# Altium PCB 10515.0461_全联供输出板(2拼版)_V1.0.PcbDoc (part 6 of 9) (continued)
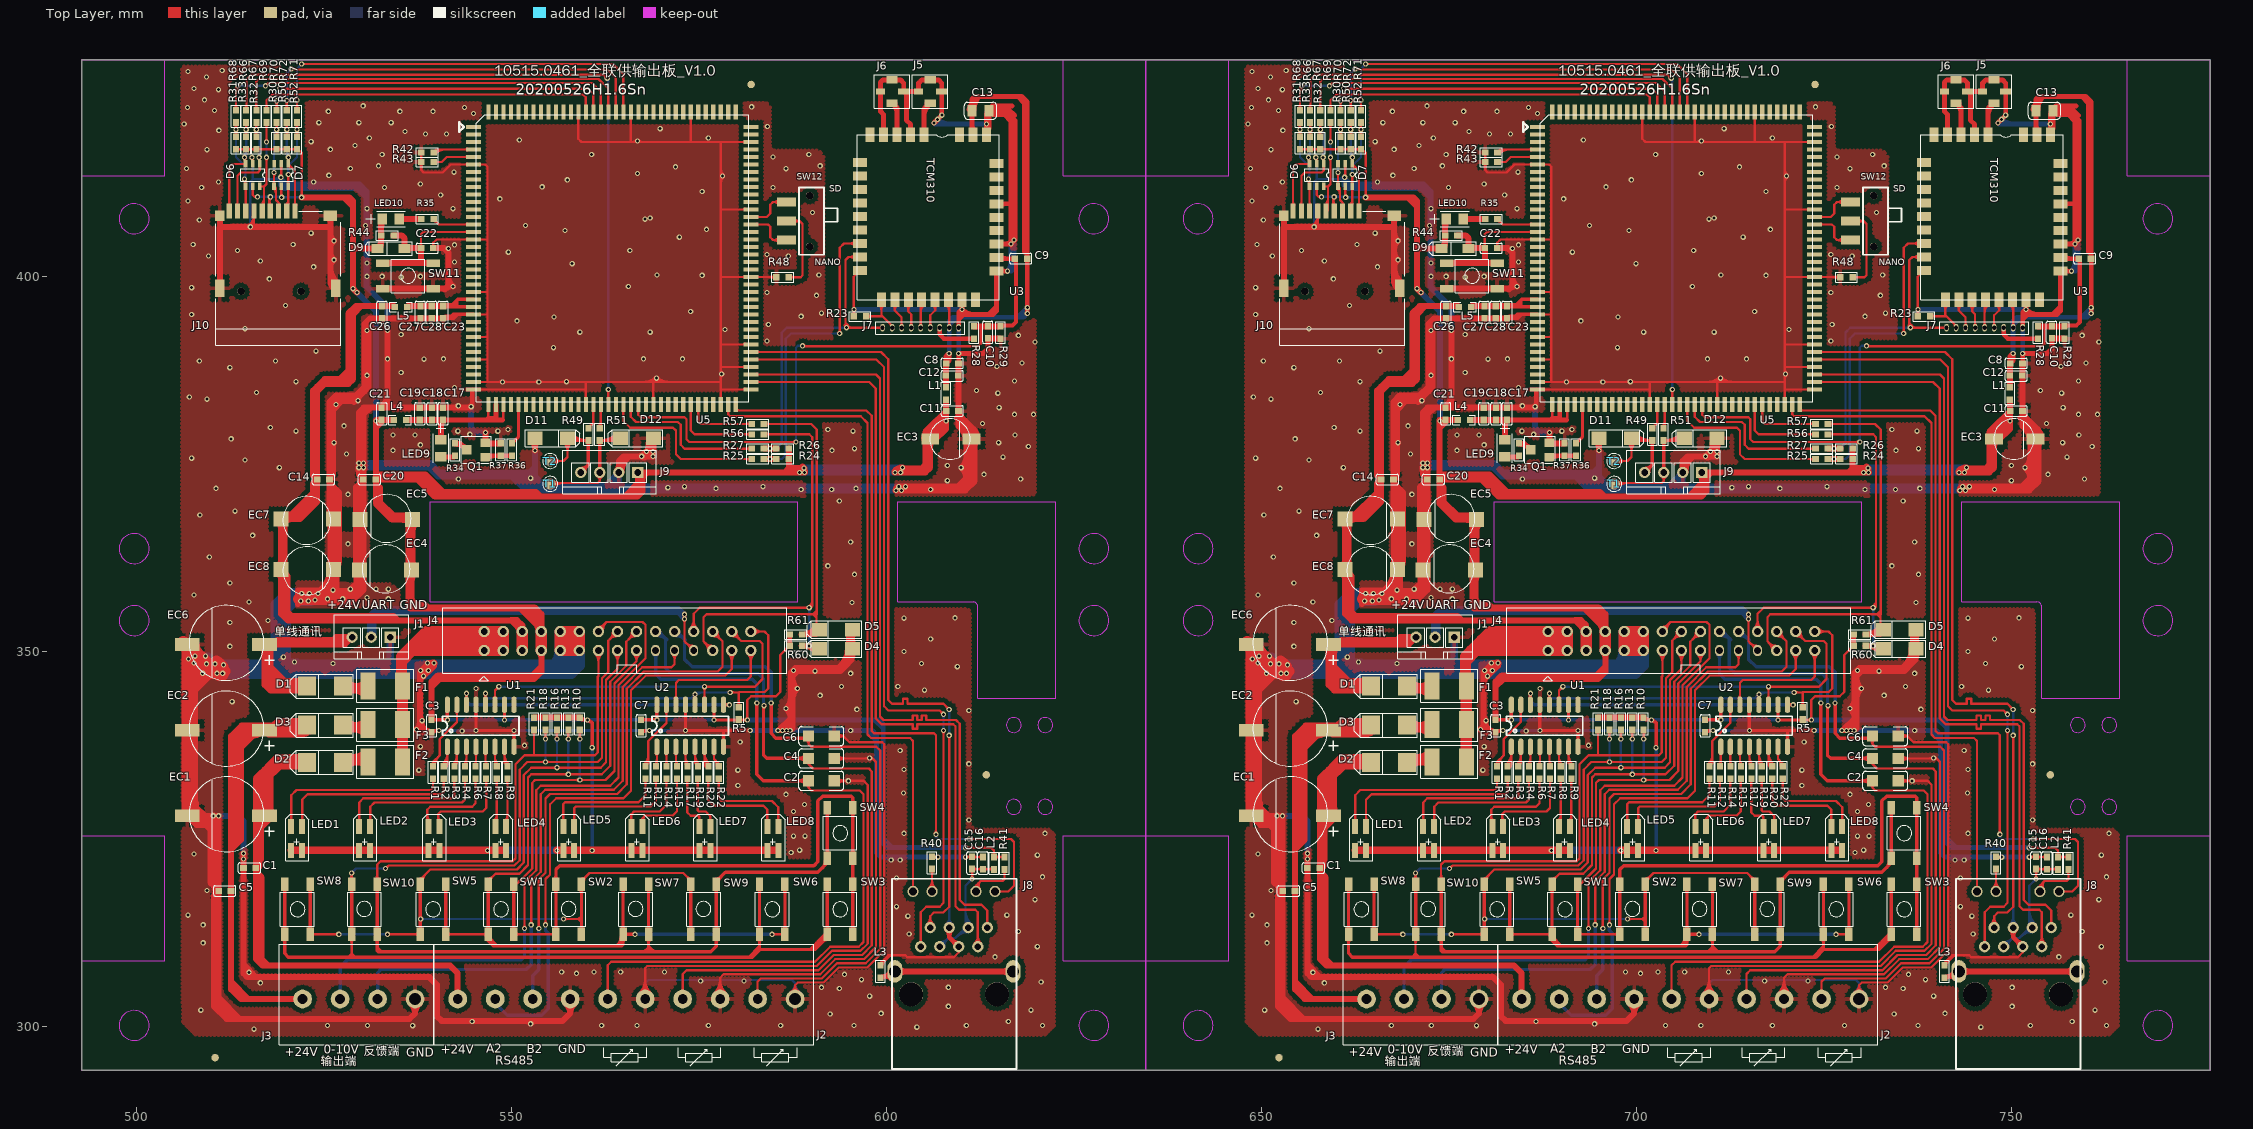
[diagram p0: Top Layer view]
## Nets (pads, with @x,y where several pads share a name; then routed paths per layer and width w, separated by ;. In a path a pad name is that pad's centre, name@x,y a point inside that pad or via, vN(x,y) a via of type N, cw(c..) or ccw(c..) an arc to the next point about the centre after c; other vN are vias at no path point) (continued)
cw(c568.833,374.653) 568.833,376.679 ccw(c568.833,376.186) 568.485,376.535 ; v1@567.421,375.994 ccw(c567.421,378.041) v1@568.868,376.594 ; 567.436,371.457 ccw(c564.423,371.457) 566.554,373.588 ; v1@567.754,376.439 cw(c568.486,375.706) v1@568.851,376.676 ; v1@567.898,376.609 ccw(c568.833,377.012) v1(568.833,375.994) ; v1@567.939,376.579 ccw(c568.051,377.715) v1@568.858,376.908 ; v1@567.979,376.594 ccw(c567.451,377.122) 568.198,377.122 ; v1@567.987,376.604 cw(c566.928,377.219) 566.928,375.994 ; 568.071,373.835 567.436,373.2 567.436,371.295 566.757,370.616 565.023,370.616 ; v1@568.198,376.783 cw(c569.471,376.783) 568.959,377.949 ; v1@568.793,375.964 cw(c569.367,376.399) v1@568.858,376.908 ; v1@568.804,376.588 cw(c569.609,377.747) 568.198,377.747 568.198,376.883 v1(567.309,375.994) 566.928,375.994 ; 583.629,375.613 v1(584.454,375.613) 585.279,375.613 ; 583.629,377.01 v1(584.454,377.01) 585.279,377.01 ; 586.93,377.01 586.93,375.613 586.93,374.407 ; 587.132,374.407 cw(c587.132,372.576) v1@588.426,373.87 ; 587.703,373.835 ccw(c587.703,375.666) v1@588.998,374.371 ; 587.767,374.407 cw(c587.767,372.576) v1@589.061,373.87 ; v1@588.341,373.84 cw(c588.962,373.783) v1(588.962,374.407) ; v1@588.752,374.617 cw(c587.97,373.835) v1@589.076,373.835 ; v1@601.041,373.84 cw(c601.599,373.782) 601.599,374.343 ; v1@601.056,373.87 cw(c602.197,372.729) v1@602.197,374.343 ; 601.074,307.285 616.864,307.285 ; v1@601.168,371.427 cw(c601.726,371.369) v1@601.726,371.93 ; v1@601.183,371.457 cw(c602.324,370.316) v1@602.324,371.93 ; v1@601.382,371.422 ccw(c601.382,373.036) v1@602.523,371.895 ; 601.498,306.861 cw(c602.523,305.836) 602.523,307.285 cw(c602.523,308.734) 601.498,307.709 ; v1@601.564,371.895 ccw(c602.705,373.036) 602.705,371.422 ; v1@601.818,373.87 cw(c602.959,372.729) 602.959,374.343 ; v1@601.945,371.457 cw(c603.086,370.316) 603.086,371.93 ; v1@602.072,374.435 ccw(c603.519,375.882) 603.519,373.835 ; v1@602.15,374.445 cw(c601.091,375.06) v1(601.091,373.835) ; v1@602.453,371.895 ccw(c603.594,373.036) 603.594,371.422 ; 605.006,378.179 cw(c606.783,378.348) 605.52,379.61 ; 605.058,371.93 cw(c605.058,370.75) v1@605.893,371.584 ; 605.155,376.981 cw(c606.666,376.981) 605.597,378.05 ; 605.155,377.772 605.155,379.244 ; 605.526,378.6 cw(c605.901,379.244) 605.155,379.244 ; 605.553,378.05 cw(c604.955,377.452) 605.8,377.452 cw(c606.645,377.452) 606.047,378.05 ; 605.553,378.544 ccw(c604.955,379.142) 605.8,379.142 ccw(c606.645,379.142) 606.047,378.544 ; 605.802,378.254 cw(c608.977,378.556) 606.722,380.811 ; v1@605.822,371.584 cw(c606.656,370.75) 606.656,371.93 ; 606.25,378.647 ccw(c606.25,380.262) 607.392,379.12 ; 606.513,380.019 ccw(c608.236,378.297) 605.8,378.297 ; 606.569,378.297 607.924,379.652 v1(607.924,380.693) ; 606.598,378.33 cw(c611.172,378.764) 607.923,382.013 ; 606.752,380.258 cw(c607.924,379.085) v1@607.924,380.743 ; 607.166,379.663 ccw(c608.531,378.297) 606.6,378.297 cw(c610.967,378.297) 607.879,381.385 ; 607.435,380.941 ccw(c606.363,382.013) 607.879,382.013 ; 607.876,385.202 607.876,388.315 ; v1@607.885,380.661 cw(c608.329,381.024) 607.924,381.43 605.8,379.306 605.8,378.297 ; 607.924,383.503 607.924,382.013 ; 609.335,381.085 cw(c606.548,378.297) 610.49,378.297 ccw(c608.559,378.297) 609.924,379.663 ; 609.575,380.845 611.29,379.13 ; 609.6,388.388 609.575,388.363 609.575,382.013 ; 609.619,382.013 ccw(c610.767,382.013) 609.955,381.201 ; v1@609.957,374.435 ccw(c608.364,376.027) 610.616,376.027 ; v1@609.957,374.505 cw(c608.364,372.913) 610.616,372.913 ; 610.18,380.976 cw(c607.501,378.297) 611.29,378.297 ; 610.616,376.911 cw(c612.226,376.911) 611.087,378.05 ; 610.616,378.971 610.616,373.073 609.473,371.93 609.092,371.93 ; 610.701,379.719 cw(c609.279,378.297) 611.29,378.297 ; 611.045,378.547 ccw(c610.474,379.13) 611.29,379.13 ; 611.124,377.051 cw(c612.536,377.051) 611.537,378.05 ; 611.493,378.05 cw(c610.91,377.467) 611.734,377.467 ; 611.493,378.544 ccw(c610.91,379.127) 611.734,379.127 ; 611.535,378.547 cw(c612.106,379.13) 611.29,379.13 ; 611.546,379.611 cw(c610.232,378.297) 612.09,378.297 ; 611.632,393.33 612.521,393.33 614.807,393.33 ; 611.734,377.437 cw(c612.6,377.437) 611.987,378.05 ; 611.734,379.157 ccw(c612.6,379.157) 611.987,378.544 ; 613.487,391.717 615.023,391.717 ; 616.44,306.861 ccw(c615.416,305.837) 615.416,307.285 ccw(c615.415,308.734) 616.44,307.709 ; 648.299,328.353 ccw(c647.531,329.121) 648.617,329.121 ccw(c649.703,329.121) 648.935,328.353 ; 648.299,339.147 cw(c647.531,338.379) 648.617,338.379 cw(c649.703,338.379) 648.935,339.147 ; 648.299,339.783 ccw(c647.531,340.551) 648.617,340.551 ccw(c649.703,340.551) 648.935,339.783 ; 648.299,350.577 cw(c647.531,349.809) 648.617,349.809 cw(c649.703,349.809) 648.935,350.577 ; v1@648.707,348.943 ccw(c649.813,348.943) 649.031,348.161 ; 649.099,339.147 cw(c647.778,337.826) 649.646,337.826 ; 649.099,339.783 ccw(c647.778,341.104) 649.646,341.104 ; 649.127,328.379 ccw(c647.961,329.766) 649.773,329.766 649.773,328.877 648.931,328.035 648.617,328.035 ; 649.264,328.35 cw(c649.878,327.086) 650.871,328.08 ; 649.417,350.445 cw(c649.417,349.532) 650.062,350.178 ; 649.513,327.595 cw(c649.728,326.618) 650.435,327.326 ; 649.646,329.766 649.646,344.879 ; 649.646,346.53 649.646,347.546 ; 649.735,327.717 cw(c650.503,326.949) 650.503,328.035 cw(c650.503,329.121) 649.735,328.353 ; 649.773,329.178 650.916,328.035 ; 649.773,344.879 651.932,347.038 ; 649.777,328.305 ccw(c651.424,329.536) 651.424,327.48 ; 649.867,350.895 ccw(c651.127,350.895) 650.236,350.004 ; 649.88,346.764 cw(c650.662,345.982) v1@650.662,347.088 ; 649.9,346.784 cw(c650.635,346.049) v1@650.663,347.088 ; 649.9,347.292 ccw(c650.635,348.027) v1@650.663,346.988 ; 650.717,349.523 cw(c649.501,348.308) v1@651.22,348.308 ; v1@651.17,348.358 cw(c651.17,346.639) 652.385,347.855 ; 651.568,346.674 cw(c652.567,345.676) v1@652.567,347.088 ; 651.615,346.721 cw(c652.505,345.83) v1@652.57,347.088 ; 651.748,348.492 ccw(c652.313,349.057) v1@652.313,348.258 ; v1@652.009,328.035 ccw(c652.983,328.035) 652.294,327.346 ; v1@652.063,328.085 cw(c652.007,327.298) 652.796,327.298 ; v1@652.094,328.07 cw(c650.401,326.377) 652.796,326.377 ; v1@652.108,328.024 cw(c651.424,328.182) 651.424,327.48 ; 652.186,303.731 652.186,304.366 ; 652.186,316.61 cw(c654.153,316.61) 652.762,318 ; 652.186,317.169 cw(c653.073,317.169) 652.76,317.999 ; 652.186,319.4 ccw(c654.153,319.4) 652.762,318.01 ; v1@652.186,348.054 649.345,350.895 648.617,350.895 648.617,348.575 649.646,347.546 ; 652.758,318.011 cw(c652.79,318.615) 652.186,318.615 ; 652.796,326.845 652.161,327.48 651.424,327.48 ; 652.948,398.408 652.948,406.601 ; 652.948,408.06 652.948,406.601 ; v1(653.329,347.038) 650.154,347.038 ; 654.599,300.937 652.186,303.35 652.186,302.588 ; 654.98,336.37 655.742,337.132 ; 655.742,300.937 678.221,300.937 678.99,301.706 ; v1(656.123,323.035) 656.123,308.176 ; 656.689,307.61 cw(c656.238,307.16) v1@656.875,307.16 ; v1@656.78,307.138 ccw(c657.774,307.637) 657.774,306.525 ; v1@656.804,307.115 cw(c657.29,308.176) 656.123,308.176 ; v1@656.825,307.21 cw(c656.825,306.573) 657.276,307.023 ; 657.277,338.667 cw(c658.117,337.827) 658.117,339.015 ; 657.378,338.769 ccw(c656.682,339.465) 657.667,339.465 ; 657.607,338.783 ccw(c657.607,339.691) 658.437,339.323 ; 657.706,339.647 cw(c656.377,340.236) 656.377,338.783 ; 657.749,326.81 cw(c658.625,326.81) 658.289,327.619 ; 657.749,330.011 ccw(c660.093,330.011) 658.435,328.353 ; 657.774,339.173 ccw(c655.869,337.55) 655.869,340.053 ; 657.782,321.058 ccw(c656.269,322.571) 658.409,322.571 ; 657.786,321.059 ccw(c657.754,321.713) 658.409,321.713 ; 657.793,321.053 ccw(c658.941,321.053) 658.129,320.241 ; 657.799,328.353 ccw(c656.632,329.52) 658.282,329.52 ; 657.799,339.147 ccw(c657.031,338.379) 657.031,339.465 ccw(c657.031,340.551) 657.799,339.783 ; 658.282,327.606 658.282,333.576 ; 658.599,328.353 ccw(c657.831,329.121) 658.917,329.121 ccw(c660.003,329.121) 659.235,328.353 ; 658.599,350.577 cw(c657.831,349.809) 658.917,349.809 cw(c660.003,349.809) 659.235,350.577 ; 659.171,332.814 660.949,334.592 ; 659.399,328.353 ccw(c658.722,329.03) 659.679,329.03 ; 659.399,350.577 cw(c658.722,349.9) 659.679,349.9 ; 659.425,308.049 658.536,308.938 658.536,319.835 657.749,320.622 ; 659.47,339.712 cw(c661.825,337.357) 661.825,340.688 ; 659.679,329.213 ccw(c660.895,329.213) 660.035,328.353 ; 659.679,347.927 661.711,345.895 ; 659.679,349.717 cw(c660.895,349.717) 660.035,350.577 ; 659.851,338.91 ccw(c659.851,344.765) 663.991,340.625 ; 659.876,351.316 ccw(c660.132,351.999) 660.648,351.483 ; 660.035,351.213 ccw(c660.803,351.981) 660.803,350.895 ccw(c660.803,349.809) 660.035,350.577 ; 660.167,339.465 cw(c661.845,339.465) 660.658,340.651 ; 660.568,345.336 659.679,346.225 659.679,347.419 ; 660.968,367.726 cw(c661.962,367.037) 661.962,368.247 ; 661.138,335.862 cw(c661.138,331.828) 663.991,334.681 ; 661.138,346.022 cw(c661.138,341.988) 663.991,344.841 ; 661.191,339.465 ccw(c661.191,343.425) 663.991,340.625 ; 661.273,361.022 cw(c659.604,359.353) 661.965,359.353 ; 661.384,334.592 ccw(c661.384,338.279) 663.991,335.672 ; 661.384,344.752 ccw(c661.384,348.439) 663.991,345.832 ; 661.445,340.688 cw(c661.445,337.088) 663.991,339.634 ; 661.556,360.457 ccw(c662.581,359.432) 661.132,359.432 ccw(c659.683,359.432) 660.708,360.457 ; 661.556,361.305 cw(c662.581,362.33) 661.132,362.33 cw(c659.683,362.33) 660.708,361.305 ccw(c658.592,363.421) 661.584,363.421 ; 661.556,368.036 ccw(c662.581,369.061) 662.581,367.612 ccw(c662.581,366.163) 661.556,367.188 ccw(c662.581,366.163) 661.132,366.163 ccw(c659.683,366.163) 660.708,367.188 cw(c658.592,365.072) 661.584,365.072 ; 661.584,358.341 ccw(c658.592,358.341) 660.708,360.457 ; 661.584,367.612 661.584,354.531 ; 661.625,367.271 cw(c663.489,365.981) 663.489,368.247 ; 661.782,338.91 ccw(c661.782,342.834) 664.556,340.059 cw(c663.122,341.494) 663.122,339.465 ; 661.965,357.421 ccw(c657.672,357.421) 660.708,360.457 ; 662.143,338.91 cw(c662.143,341.891) 660.035,339.783 ccw(c660.803,340.551) 660.803,339.465 ccw(c660.803,338.379) 660.035,339.147 ; 662.223,340.053 ccw(c662.223,336.959) 660.035,339.147 ; 662.223,351.483 ccw(c662.223,348.389) 660.035,350.577 ; 662.61,340.053 ccw(c662.61,342.006) 663.991,340.625 ; 662.64,340.053 cw(c662.64,338.143) 663.991,339.494 ; 663.07,335.862 cw(c663.07,333.76) 664.556,335.246 ; 663.07,346.022 cw(c663.07,343.92) 664.556,345.406 ; 663.315,334.592 ccw(c663.315,336.348) 664.556,335.106 ; 663.315,344.752 ccw(c663.315,346.508) 664.556,345.266 ; 663.337,338.91 659.472,338.91 658.917,339.465 ; 663.362,356.288 cw(c663.821,356.288) v1@663.733,356.739 ; 663.362,356.6 cw(c664.976,356.6) 663.835,357.741 cw(c664.669,356.907) 664.669,358.087 ; 663.362,357.489 ccw(c664.542,357.489) v1@663.708,356.655 ; 663.376,340.688 cw(c663.376,339.019) 664.556,340.199 ; 663.713,338.91 ccw(c663.713,340.902) 665.122,339.494 ; 663.756,340.688 ccw(c663.756,335.426) 660.035,339.147 ; v1(663.87,357.706) v1@663.87,356.563 ; v1(663.87,410.538) 669.331,410.538 ; 663.871,335.862 660.568,335.862 659.552,334.846 ; 663.871,346.022 660.568,346.022 659.679,346.911 659.679,347.419 ; v1@663.916,357.726 ccw(c663.362,357.482) 663.362,358.087 ; 663.972,334.592 660.949,334.592 ; 663.972,344.752 659.679,344.752 658.917,345.514 658.917,346.657 ; 663.99,303.604 656.758,303.604 ; 663.991,334.611 ccw(c662.625,333.245) 662.625,335.176 ccw(c662.625,337.108) 663.991,335.742 ; 663.991,344.771 ccw(c662.625,343.405) 662.625,345.336 ccw(c662.625,347.268) 663.991,345.902 ; 663.998,340.688 660.695,340.688 659.472,339.465 658.917,339.465 ; 664.087,358.087 cw(c664.087,356.907) v1@664.921,357.741 ; 664.48,340.053 660.314,340.053 ; 664.556,335.176 659.882,335.176 659.552,334.846 ; 664.556,340.129 663.892,339.465 658.917,339.465 ; 664.556,345.336 659.73,345.336 658.917,346.149 658.917,346.657 ; v1@664.851,357.741 cw(c665.685,356.907) 665.685,358.087 ; 665.155,356.563 ccw(c665.155,357.31) v1@665.683,356.782 ; 665.23,358.087 cw(c665.23,356.907) v1@666.064,357.741 ; 665.274,351.236 ccw(c664.676,350.638) 664.676,351.483 670.22,351.483 670.601,351.864 ; 665.394,370.152 665.394,372.386 665.927,372.919 ; 665.394,371.708 cw(c667.101,371.708) 665.894,372.915 ; 665.394,372.191 cw(c666.166,372.191) 665.892,372.913 ; 665.394,374.13 ccw(c667.101,374.13) 665.894,372.924 ; v1@665.613,356.782 ccw(c666.14,357.31) 666.14,356.563 ; 665.648,371.422 661.838,367.612 661.132,367.612 ; 665.927,370.685 663.489,368.247 ; 665.927,384.63 666.943,385.646 670.093,385.646 670.728,386.281 670.728,386.916 ; 666.756,358.56 ccw(c664.825,360.49) 667.536,360.81 ; 667.469,407.849 cw(c666.959,407.339) 667.68,407.339 cw(c668.401,407.339) 667.891,407.849 ; 667.578,368.466 ccw(c668.986,368.466) 667.991,367.471 ; 667.578,370.397 ccw(c670.917,370.397) 668.556,368.036 cw(c669.581,369.061) 668.132,369.061 cw(c666.683,369.061) 667.708,368.036 ccw(c665.015,370.729) 668.823,370.729 ; 667.578,372.438 668.823,371.193 668.823,361.897 ; 667.578,376.459 cw(c669.539,376.459) v1@668.153,377.845 ; 667.578,379.161 ccw(c669.539,379.161) v1@668.153,377.775 ; 667.612,372.924 ccw(c666.528,374.008) 668.061,374.008 ; 667.613,372.925 ccw(c667.152,373.708) 668.061,373.708 ; 667.68,361.333 667.68,367.612 668.132,367.612 ; 667.68,363.421 ccw(c670.672,363.421) 668.556,361.305 cw(c669.581,362.33) 668.132,362.33 cw(c666.683,362.33) 667.708,361.305 ccw(c665.015,363.998) 668.823,363.998 ; 667.68,365.072 cw(c670.672,365.072) 668.556,367.188 ccw(c669.581,366.163) 668.132,366.163 ccw(c666.683,366.163) 667.708,367.188 cw(c665.015,364.495) 668.823,364.495 ; 667.68,399.391 ccw(c668.918,399.391) 668.042,398.516 ; 667.68,401.088 cw(c669.294,401.088) v1@668.153,402.229 ; 667.68,401.323 ccw(c670.849,401.323) 668.608,399.082 ; 667.68,403.3 ccw(c669.294,403.3) v1@668.153,402.159 ; 667.68,403.628 cw(c669.294,403.628) v1@668.153,404.769 ; 667.68,405.84 ccw(c669.294,405.84) v1@668.153,404.699 ; 667.68,408.06 667.68,406.601 ; 667.871,373.518 ccw(c668.47,372.919) 667.623,372.919 ccw(c668.892,372.919) 667.995,372.022 ; 667.922,359.726 ccw(c666.911,360.737) 668.331,360.905 ; 667.942,382.733 cw(c668.442,382.233) v1@668.442,382.94 ; 668.061,351.483 668.442,351.864 670.601,351.864 ; 668.132,359.936 666.283,358.087 663.362,358.087 ; 668.132,371.884 668.132,367.612 ; 668.273,360.74 ccw(c666.947,362.066) 668.823,362.066 ; 668.273,367.471 ccw(c666.947,368.797) 668.823,368.797 ; 668.273,367.753 cw(c666.947,366.427) 668.823,366.427 ; 668.321,382.477 ccw(c667.908,382.89) v1@668.492,382.89 ; v1@668.392,382.887 cw(c669,382.929) 668.569,383.36 ; v1@668.407,382.925 cw(c669.456,381.876) 669.456,383.36 ; v1@668.442,382.84 ccw(c668.442,383.425) 668.855,383.011 ; 668.442,398.408 667.68,399.17 667.68,406.601 ; 668.68,361.125 cw(c669.313,361.407) 668.823,361.897 ; 668.95,386.281 670.093,387.424 670.093,395.044 671.084,396.035 674.615,396.035 ; 669.204,383.36 668.061,382.217 668.061,373.708 ; 669.356,335.246 cw(c670.572,334.471) 670.572,335.913 ; 669.356,345.336 669.941,344.752 672.082,344.752 ; 669.389,345.369 672.699,345.369 672.082,344.752 ; 669.922,334.611 cw(c671.288,333.245) 671.288,335.176 cw(c671.288,337.108) 669.922,335.742 ; 669.922,339.564 cw(c671.288,338.198) 671.288,340.129 cw(c671.288,342.061) 669.922,340.695 ; 669.922,344.771 cw(c671.366,343.327) 671.366,345.369 ; 669.922,345.902 ccw(c671.21,347.189) 671.21,345.369 ; 669.982,345.764 ccw(c672.082,347.435) 672.082,344.752 ; 669.988,340.551 ccw(c672.045,342.152) 672.045,339.545 669.941,339.545 669.356,340.129 672.629,340.129 ; 670.031,334.816 cw(c672.031,333.541) 672.031,335.913 670.093,335.913 669.356,335.176 672.629,335.176 ; 670.728,409.268 669.458,410.538 669.331,410.538 ; 670.807,344.752 cw(c670.807,342.677) 672.274,344.144 ; 670.855,403.68 674.008,403.68 674.474,404.146 674.474,407.503 ; 670.863,383.241 cw(c671.363,382.741) v1@671.363,383.448 ; 670.896,339.545 cw(c670.896,337.596) 672.274,338.974 ; 670.93,335.913 ccw(c670.93,337.814) 672.274,336.47 ; 671.083,335.176 ccw(c671.083,336.861) 672.274,335.67 ; 671.083,340.129 ccw(c671.083,341.814) 672.274,340.623 ; 671.109,361.241 671.109,371.878 672.1,372.869 ; 671.109,363.308 ccw(c674.05,363.308) 671.97,361.228 cw(c672.995,362.253) 671.546,362.253 cw(c670.097,362.253) 671.122,361.228 ccw(c668.7,363.65) 672.125,363.65 ; 671.109,364.725 cw(c674.483,364.725) 672.097,367.111 ccw(c673.428,365.78) 671.546,365.78 ; 671.109,366.656 cw(c672.552,366.656) 671.532,367.676 ; 671.109,368.414 ccw(c672.552,368.414) 671.532,367.394 ; 671.109,370.345 ccw(c674.483,370.345) 672.097,367.959 cw(c673.122,368.984) 671.673,368.984 cw(c670.224,368.984) 671.249,367.959 ccw(c669.195,370.013) 672.1,370.013 ; 671.144,360.359 cw(c669.149,358.15) 672.125,358.15 ; v1(671.236,397.838) v1(670.728,398.346) 670.728,410.03 670.22,410.538 669.331,410.538 ; v1@671.313,383.398 cw(c672.02,383.398) 671.52,383.898 ; 671.417,335.176 cw(c671.417,333.964) 672.274,334.821 ; 671.417,340.129 cw(c671.417,338.917) 672.274,339.774 ; v1@671.44,374.474 ccw(c672.617,374.378) 671.782,373.543 ; 671.49,373.59 cw(c672.512,373.59) v1@672.078,374.515 ; 671.49,373.754 cw(c673.451,373.754) v1@672.064,375.14 ; 671.49,375.821 ccw(c673.451,375.821) v1@672.064,374.435 ; 671.49,376.456 ccw(c673.451,376.456) v1@672.064,375.07 ; v1@671.525,374.435 ccw(c670.139,375.821) 672.1,375.821 ; v1@671.525,374.505 cw(c670.139,373.119) 672.1,373.119 ; v1@671.525,375.07 ccw(c670.139,376.456) 672.1,376.456 ; v1@671.525,375.14 cw(c670.139,373.754) 672.1,373.754 ; 671.546,366.393 ccw(c670.531,366.393) 671.249,367.111 cw(c669.133,364.995) 672.125,364.995 ; 671.57,335.913 cw(c671.57,334.917) 672.274,335.621 ; 671.604,339.545 ccw(c671.604,340.493) 672.274,339.823 ; 671.673,371.916 cw(c673.015,371.916) 672.066,372.864 ; 671.673,372.292 cw(c672.286,372.292) 672.064,372.863 ; 671.68,360.952 cw(c670.775,359.951) 672.125,359.951 ; 671.687,360.663 ccw(c670.631,361.719) 672.125,361.719 ; 671.693,344.752 ccw(c671.693,345.574) 672.274,344.993 ; 671.772,373.553 cw(c671.087,372.869) 672.055,372.869 ; 672.125,368.476 672.125,361.383 ; 672.252,385.265 671.109,384.122 668.442,384.122 667.578,383.258 667.578,382.369 ; 672.252,386.134 cw(c673.228,386.134) v1@672.538,386.824 ; 672.252,387.444 ccw(c673.228,387.444) v1@672.538,386.754 ; 672.252,392.103 cw(c673.228,392.103) v1@672.538,392.793 ; 672.252,393.413 ccw(c673.228,393.413) v1@672.538,392.723 ; 672.274,344.944 ccw(c671.25,343.92) 671.25,345.369 ccw(c671.25,346.817) 672.274,345.793 ; v1@672.609,386.754 ccw(c672.243,387.119) 672.76,387.119 ; v1@672.609,386.824 cw(c672.243,386.459) 672.76,386.459 ; v1@672.609,392.723 ccw(c672.243,393.088) 672.76,393.088 ; v1@672.609,392.793 cw(c672.243,392.428) 672.76,392.428 ; 673.522,394.384 672.76,393.622 672.76,385.138 672.252,384.63 ; 673.751,379.804 674.538,380.591 674.538,380.82 ; 673.793,372.864 cw(c675.523,371.135) 675.523,373.581 ; 673.795,372.867 ccw(c674.562,372.652) 673.999,372.088 ; 674.067,403.821 ccw(c673.082,404.806) 674.474,404.806 ; 674.474,406.611 cw(c675.519,406.611) 674.78,407.349 ; 674.533,382.514 ccw(c672.683,384.364) 675.3,384.364 ; 674.693,398.348 681.393,398.348 683.049,398.348 683.428,398.727 683.428,403.172 682.843,403.757 681.421,403.757 ; 674.693,401.748 681.393,401.748 ; v1(675.3,392.758) 675.3,382.471 ; 676.125,405.458 677.205,405.458 677.608,405.055 677.608,403.68 ; 676.131,380.82 673.751,380.82 673.751,373.581 ; 676.164,396.035 674.615,396.035 ; 676.697,354.102 676.141,354.658 662.552,354.658 661.965,355.245 661.965,360.048 661.132,360.881 ; 676.874,346.593 ccw(c675.85,347.617) 677.299,347.617 ccw(c678.747,347.617) 677.723,346.593 ; 676.9,407.642 679.783,407.642 ; 677.299,345.369 677.299,348.275 679.11,350.086 ; 677.685,403.757 679.77,403.757 679.77,401.9 ; 677.825,368.12 cw(c677.825,366.793) 678.824,367.667 ; 677.847,380.82 679.618,380.82 681.23,380.82 682.716,380.82 ; 677.949,403.539 cw(c678.477,403.011) 678.477,403.757 ; 678.069,396.035 679.695,396.035 681.219,396.035 682.743,396.035 ; 678.094,358.264 cw(c681.086,358.264) 678.97,360.38 ccw(c679.995,359.355) 678.546,359.355 ccw(c677.097,359.355) 678.122,360.38 ; 678.094,363.344 ccw(c681.086,363.344) 678.97,361.228 cw(c679.688,361.946) 678.673,361.946 ; 678.094,364.689 cw(c681.519,364.689) 679.097,367.111 ccw(c680.122,366.086) 678.673,366.086 ccw(c677.224,366.086) 678.249,367.111 ccw(c677.224,366.086) 677.224,367.535 ccw(c677.224,368.984) 678.249,367.959 ; 678.094,366.62 cw(c679.588,366.62) 678.532,367.676 ; 678.094,366.956 678.094,355.928 678.348,355.674 681.015,355.674 693.08,355.674 ; 678.122,361.228 ccw(c676.791,362.559) 678.673,362.559 ; 678.221,367.14 ccw(c676.062,365.251) 676.062,368.12 ; 678.424,302.97 cw(c677.296,301.706) 678.99,301.706 ; 678.938,355.845 680.843,355.845 694.94,355.845 695.112,355.674 ; 678.99,303.604 678.99,301.706 ; 679.11,356.309 678.546,356.873 678.546,360.804 678.673,360.931 678.673,367.535 ; v1@679.165,339.594 cw(c679.351,338.838) 679.902,339.388 ; v1@679.177,339.595 cw(c679.177,338.345) 680.061,339.229 ; v1@679.211,339.508 ccw(c678.362,340.434) 679.618,340.434 ; 679.556,302.97 ccw(c680.684,301.706) 678.99,301.706 ; 679.618,340.09 cw(c680.568,340.09) v1@679.896,340.761 ; 679.618,340.118 cw(c680.5,340.118) v1@679.897,340.763 ; 679.618,341.362 ccw(c680.568,341.362) v1@679.896,340.691 ; 679.618,345.939 cw(c680.46,345.939) v1@680.105,346.702 ; 679.695,394.384 682.743,394.384 674.615,394.384 672.989,394.384 672.252,393.647 672.252,384.63 ; v1@679.883,340.737 ccw(c681.089,340.479) 680.217,339.607 ; v1@680.076,346.657 cw(c682.408,346.657) v1@680.759,348.306 ; v1@680.121,346.607 cw(c680.179,347.165) v1@679.618,347.165 ; 680.163,339.66 ccw(c681.192,340.688) 681.192,339.234 ; 680.524,348.071 cw(c681.523,347.073) v1@681.523,348.485 ; 680.54,348.087 ccw(c680.191,348.435) v1@680.684,348.435 ; v1@680.571,348.118 cw(c681.461,347.227) v1@681.526,348.485 ; 680.634,339.189 679.618,340.205 679.618,340.434 ; v1@680.716,347.397 cw(c681.527,347.796) v1@680.888,348.435 ; 681.192,339.189 680.101,339.189 679.618,339.672 679.618,340.434 ; 681.192,340.84 681.192,345.945 682.031,346.784 694.683,346.784 695.826,347.927 ; 681.192,345.26 682.208,346.276 682.666,346.276 ; 681.339,347.87 ccw(c680.774,348.435) v1@681.573,348.435 ; 681.523,346.276 682.666,346.276 ; 681.948,371.251 695.112,371.251 695.747,370.616 ; 682.437,378.204 682.437,380.541 ; 682.437,380.094 cw(c683.404,380.094) 682.721,380.777 ; 682.913,398.212 cw(c684.063,397.061) v1@684.063,398.688 ; 683.066,398.365 cw(c683.882,397.549) v1@684.071,398.687 ; 683.174,370.787 680.38,373.581 673.751,373.581 ; 683.428,400.05 ccw(c685.475,400.05) v1@684.028,398.603 ; 684.273,382.471 ccw(c684.273,383.218) v1@684.801,382.69 ; 684.677,303.604 684.677,307.054 683.682,308.049 658.663,308.049 657.749,308.963 657.749,320.622 ; v1@684.73,382.69 ccw(c685.258,383.218) 685.258,382.471 ; v1@686.476,382.725 686.222,382.471 682.716,382.471 681.23,382.471 679.618,382.471 675.3,382.471 ; v1(688.381,379.169) 688.381,377.817 688.49,377.709 690.413,377.709 ; 688.566,377.938 ccw(c689.121,378.493) 689.121,377.709 ; 692.924,352.626 ccw(c692.05,352.626) 692.668,353.244 ccw(c693.286,353.862) 693.286,352.988 ; 693.618,300.683 cw(c693.618,299.503) v1@694.453,300.337 ; v1@694.382,300.337 cw(c695.216,299.503) 695.216,300.683 ; 694.606,378.053 cw(c693.753,377.2) 694.96,377.2 cw(c696.167,377.2) 695.314,378.053 ; 694.858,341.133 696.382,341.133 697.906,341.133 699.43,341.133 700.954,341.133 ; v1@694.96,376.756 694.96,378.407 ; 694.994,353.76 cw(c693.861,352.626) 695.464,352.626 ; 695.57,349.83 cw(c694.952,349.212) 695.826,349.212 cw(c696.7,349.212) 696.082,349.83 ; 695.57,352.882 ccw(c694.952,353.5) 695.826,353.5 ccw(c696.7,353.5) 696.082,352.882 ; 695.826,350.086 695.826,347.244 694.858,346.276 682.666,346.276 ; 695.826,352.626 695.826,352.928 ; 699.108,302.973 cw(c697.952,301.692) 699.677,301.692 ; 699.677,303.604 699.677,301.692 ; 700.246,302.973 ccw(c701.402,301.692) 699.677,301.692 ; 705.914,374.082 ccw(c705.316,374.68) 706.161,374.68 ccw(c707.006,374.68) 706.408,374.082 ; 706.161,373.835 706.161,375.359 706.796,375.994 707.558,375.994 ; 706.411,374.08 cw(c706.803,374.463) 706.415,374.851 707.558,375.994 ; 706.511,373.835 cw(c709.196,373.835) 707.297,375.733 ; 708.948,374.082 ccw(c709.546,374.68) 709.546,373.835 ccw(c709.546,372.99) 708.948,373.588 ; 709.019,374.153 cw(c708.254,373.388) 709.336,373.388 ; v1@709.178,375.955 ccw(c709.489,376.349) 709.844,375.994 v1@710.758,376.908 ; v1@709.209,375.944 ccw(c709.209,377.356) 710.208,376.358 ; v1@709.301,376.086 cw(c710.733,374.653) 710.733,376.679 ccw(c710.733,376.186) 710.385,376.535 ; v1@709.321,375.994 ccw(c709.321,378.041) v1@710.768,376.594 ; 709.336,371.457 ccw(c706.323,371.457) 708.454,373.588 ; v1@709.654,376.439 cw(c710.386,375.706) v1@710.751,376.676 ; v1@709.798,376.609 ccw(c710.733,377.012) v1(710.733,375.994) ; v1@709.839,376.579 ccw(c709.951,377.715) v1@710.758,376.908 ; v1@709.879,376.594 ccw(c709.351,377.122) 710.098,377.122 ; v1@709.887,376.604 cw(c708.828,377.219) 708.828,375.994 ; 709.971,373.835 709.336,373.2 709.336,371.295 708.656,370.616 706.923,370.616 ; v1@710.098,376.783 cw(c711.371,376.783) 710.859,377.949 ; v1@710.693,375.964 cw(c711.267,376.399) v1@710.758,376.908 ; v1@710.704,376.588 cw(c711.509,377.747) 710.098,377.747 710.098,376.883 v1(709.209,375.994) 708.828,375.994 ; 725.528,375.613 v1(726.354,375.613) 727.179,375.613 ; 725.528,377.01 v1(726.354,377.01) 727.179,377.01 ; 728.83,377.01 728.83,375.613 728.83,374.407 ; 729.032,374.407 cw(c729.032,372.576) v1@730.326,373.87 ; 729.603,373.835 ccw(c729.603,375.666) v1@730.898,374.371 ; 729.667,374.407 cw(c729.667,372.576) v1@730.961,373.87 ; v1@730.241,373.84 cw(c730.862,373.783) v1(730.862,374.407) ; v1@730.652,374.617 cw(c729.87,373.835) v1@730.976,373.835 ; v1@742.941,373.84 cw(c743.499,373.782) 743.499,374.343 ; v1@742.956,373.87 cw(c744.097,372.729) v1@744.097,374.343 ; 742.974,307.285 758.764,307.285 ; v1@743.068,371.427 cw(c743.626,371.369) v1@743.626,371.93 ; v1@743.083,371.457 cw(c744.224,370.316) v1@744.224,371.93 ; v1@743.282,371.422 ccw(c743.282,373.036) v1@744.423,371.895 ; 743.398,306.861 cw(c744.423,305.836) 744.423,307.285 cw(c744.423,308.734) 743.398,307.709 ; v1@743.464,371.895 ccw(c744.605,373.036) 744.605,371.422 ; v1@743.718,373.87 cw(c744.859,372.729) 744.859,374.343 ; v1@743.845,371.457 cw(c744.986,370.316) 744.986,371.93 ; v1@743.972,374.435 ccw(c745.419,375.882) 745.419,373.835 ; v1@744.05,374.445 cw(c742.991,375.06) v1(742.991,373.835) ; v1@744.353,371.895 ccw(c745.494,373.036) 745.494,371.422 ; 746.906,378.179 cw(c748.683,378.348) 747.42,379.61 ; 746.958,371.93 cw(c746.958,370.75) v1@747.793,371.584 ; 747.055,376.981 cw(c748.566,376.981) 747.497,378.05 ; 747.055,377.772 747.055,379.244 ; 747.426,378.6 cw(c747.801,379.244) 747.055,379.244 ; 747.453,378.05 cw(c746.855,377.452) 747.7,377.452 cw(c748.545,377.452) 747.947,378.05 ; 747.453,378.544 ccw(c746.855,379.142) 747.7,379.142 ccw(c748.545,379.142) 747.947,378.544 ; 747.702,378.254 cw(c750.877,378.556) 748.622,380.811 ; v1@747.722,371.584 cw(c748.556,370.75) 748.556,371.93 ; 748.15,378.647 ccw(c748.15,380.262) 749.292,379.12 ; 748.413,380.019 ccw(c750.136,378.297) 747.7,378.297 ; 748.469,378.297 749.824,379.652 v1(749.824,380.693) ; 748.498,378.33 cw(c753.072,378.764) 749.823,382.013 ; 748.651,380.258 cw(c749.824,379.085) v1@749.824,380.743 ; 749.066,379.663 ccw(c750.431,378.297) 748.5,378.297 cw(c752.867,378.297) 749.779,381.385 ; 749.335,380.941 ccw(c748.263,382.013) 749.779,382.013 ; 749.776,385.202 749.776,388.315 ; v1@749.785,380.661 cw(c750.229,381.024) 749.824,381.43 747.7,379.306 747.7,378.297 ; 749.824,383.503 749.824,382.013 ; 751.235,381.085 cw(c748.448,378.297) 752.39,378.297 ccw(c750.459,378.297) 751.824,379.663 ; 751.475,380.845 753.19,379.13 ; 751.5,388.388 751.475,388.363 751.475,382.013 ; 751.519,382.013 ccw(c752.667,382.013) 751.855,381.201 ; v1@751.857,374.435 ccw(c750.264,376.027) 752.516,376.027 ; v1@751.857,374.505 cw(c750.264,372.913) 752.516,372.913 ; 752.08,380.976 cw(c749.401,378.297) 753.19,378.297 ; 752.516,376.911 cw(c754.126,376.911) 752.987,378.05 ; 752.516,378.971 752.516,373.073 751.373,371.93 750.992,371.93